# Altium PCB Even.PcbDoc (part 2 of 3)
Units mm, origin at the board's own origin, x right, y up, seen from the top; angles counter-clockwise.
Board outline 382.95 x 69.8 mm, 4 copper layers (Top Layer, Internal Top, Internal Bottom, Bottom Layer), stack 0.778 mm thick; 240 components, 191 nets, 723 pads, 380 vias.
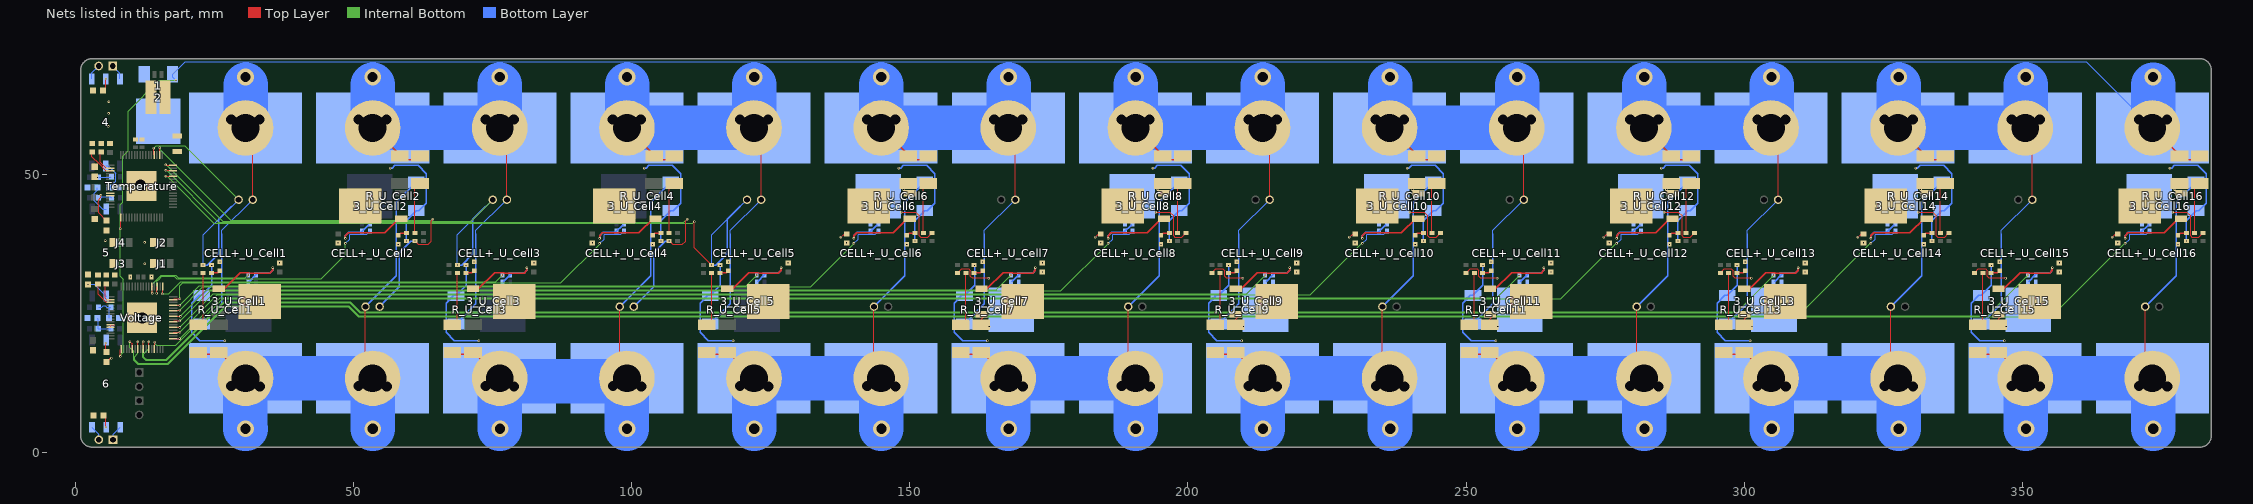
[diagram p4: the nets of this part, all layers, seen from the top]

## Via types
v1: diameter 0.45, hole 0.2, Top Layer to Bottom Layer, 282 vias
v2: diameter 3, hole 1.85, Top Layer to Bottom Layer, 96 vias
v3: diameter 3, hole 2, Top Layer to Bottom Layer, 2 vias

## Nets (pads, with @x,y where several pads share a name; then routed paths per layer and width w, separated by ;. In a path a pad name is that pad's centre, name@x,y a point inside that pad or via, vN(x,y) a via of type N, cw(c..) or ccw(c..) an arc to the next point about the centre after c; other vN are vias at no path point) (continued)
F_U_Cell6: 3_U_Cell6.3 C1_U_Cell6.2 F2_U_Cell6.P$2 R1_U_Cell6.2 R3_U_Cell6.2 R_U_Cell6.3 | length 11.3
  Top Layer w0.089: v1(137.65,38.75) 138.2,39.3 C1_U_Cell6.2@138.65,39.3
  Top Layer w0.127: v1(148.503,43.25) 151.05,43.25 151.75,42.55 151.75,38.975 151.975,38.75 153.225,38.75 153.925,39.45 R1_U_Cell6.2@153.975,39.45
  Top Layer w0.254: R1_U_Cell6.2@153.725,39.7 R1_U_Cell6.2@153.975,39.45
  other v1: 148.925,47.275
F_U_Cell7: 3_U_Cell7.3 C1_U_Cell7.2 F2_U_Cell7.P$2 R1_U_Cell7.2 R3_U_Cell7.2 R_U_Cell7.3 | length 9.5
  Top Layer w0.089: R1_U_Cell7.2@158.6,32.3 159.317,33.017 160.587,33.017 160.9,32.704 160.9,31.7 161.2,31.4 164.158,31.4 v1(164.2,31.358)
  Top Layer w0.127: F2_U_Cell7.P$2@162.9,23 162.9,23.973 3_U_Cell7.3@163.81,24.884
  Bottom Layer w0.089: v1(164.2,31.358) v1@164.222,31.381
  other v1: 164.3,22.65 173.85,32.5
F_U_Cell8: 3_U_Cell8.3 C1_U_Cell8.2 F2_U_Cell8.P$2 R1_U_Cell8.2 R3_U_Cell8.2 R_U_Cell8.3 | length 11.3
  Top Layer w0.089: v1(183.35,38.75) 183.9,39.3 C1_U_Cell8.2@184.35,39.3
  Top Layer w0.127: v1(194.203,43.25) 196.75,43.25 197.45,42.55 197.45,38.975 197.675,38.75 198.925,38.75 199.625,39.45 R1_U_Cell8.2@199.675,39.45
  Top Layer w0.254: R1_U_Cell8.2@199.425,39.7 R1_U_Cell8.2@199.675,39.45
  other v1: 194.625,47.275
F_U_Cell9: 3_U_Cell9.3 C1_U_Cell9.2 F2_U_Cell9.P$2 R1_U_Cell9.2 R3_U_Cell9.2 R_U_Cell9.3 | length 9.5
  Top Layer w0.089: R1_U_Cell9.2@204.3,32.3 205.017,33.017 206.287,33.017 206.6,32.704 206.6,31.7 206.9,31.4 209.858,31.4 v1(209.9,31.358)
  Top Layer w0.127: F2_U_Cell9.P$2@208.6,23 208.6,23.973 3_U_Cell9.3@209.51,24.884
  Bottom Layer w0.089: v1(209.9,31.358) v1@209.922,31.381
  other v1: 210,22.65 219.55,32.5
F_U_Cell10: 3_U_Cell10.3 C1_U_Cell10.2 F2_U_Cell10.P$2 R1_U_Cell10.2 R3_U_Cell10.2 R_U_Cell10.3 | length 11.3
  Top Layer w0.089: v1(229.05,38.75) 229.6,39.3 C1_U_Cell10.2@230.05,39.3
  Top Layer w0.127: v1(239.903,43.25) 242.45,43.25 243.15,42.55 243.15,38.975 243.375,38.75 244.625,38.75 245.325,39.45 R1_U_Cell10.2@245.375,39.45
  Top Layer w0.254: R1_U_Cell10.2@245.125,39.7 R1_U_Cell10.2@245.375,39.45
  other v1: 240.325,47.275
F_U_Cell11: 3_U_Cell11.3 C1_U_Cell11.2 F2_U_Cell11.P$2 R1_U_Cell11.2 R3_U_Cell11.2 R_U_Cell11.3 | length 9.5
  Top Layer w0.089: R1_U_Cell11.2@250,32.3 250.717,33.017 251.987,33.017 252.3,32.704 252.3,31.7 252.6,31.4 255.558,31.4 v1(255.6,31.358)
  Top Layer w0.127: F2_U_Cell11.P$2@254.3,23 254.3,23.973 3_U_Cell11.3@255.21,24.884
  Bottom Layer w0.089: v1(255.6,31.358) v1@255.622,31.381
  other v1: 255.7,22.65 265.25,32.5
F_U_Cell12: 3_U_Cell12.3 C1_U_Cell12.2 F2_U_Cell12.P$2 R1_U_Cell12.2 R3_U_Cell12.2 R_U_Cell12.3 | length 11.3
  Top Layer w0.089: v1(274.75,38.75) 275.3,39.3 C1_U_Cell12.2@275.75,39.3
  Top Layer w0.127: v1(285.603,43.25) 288.15,43.25 288.85,42.55 288.85,38.975 289.075,38.75 290.325,38.75 291.025,39.45 R1_U_Cell12.2@291.075,39.45
  Top Layer w0.254: R1_U_Cell12.2@290.825,39.7 R1_U_Cell12.2@291.075,39.45
  other v1: 286.025,47.275
F_U_Cell13: 3_U_Cell13.3 C1_U_Cell13.2 F2_U_Cell13.P$2 R1_U_Cell13.2 R3_U_Cell13.2 R_U_Cell13.3 | length 9.5
  Top Layer w0.089: R1_U_Cell13.2@295.7,32.3 296.417,33.017 297.687,33.017 298,32.704 298,31.7 298.3,31.4 301.258,31.4 v1(301.3,31.358)
  Top Layer w0.127: F2_U_Cell13.P$2@300,23 300,23.973 3_U_Cell13.3@300.91,24.884
  Bottom Layer w0.089: v1(301.3,31.358) v1@301.322,31.381
  other v1: 301.4,22.65 310.95,32.5
F_U_Cell14: 3_U_Cell14.3 C1_U_Cell14.2 F2_U_Cell14.P$2 R1_U_Cell14.2 R3_U_Cell14.2 R_U_Cell14.3 | length 11.3
  Top Layer w0.089: v1(320.45,38.75) 321,39.3 C1_U_Cell14.2@321.45,39.3
  Top Layer w0.127: v1(331.303,43.25) 333.85,43.25 334.55,42.55 334.55,38.975 334.775,38.75 336.025,38.75 336.725,39.45 R1_U_Cell14.2@336.775,39.45
  Top Layer w0.254: R1_U_Cell14.2@336.525,39.7 R1_U_Cell14.2@336.775,39.45
  other v1: 331.725,47.275
F_U_Cell15: 3_U_Cell15.3 C1_U_Cell15.2 F2_U_Cell15.P$2 R1_U_Cell15.2 R3_U_Cell15.2 R_U_Cell15.3 | length 9.5
  Top Layer w0.089: R1_U_Cell15.2@341.4,32.3 342.117,33.017 343.387,33.017 343.7,32.704 343.7,31.7 344,31.4 346.958,31.4 v1(347,31.358)
  Top Layer w0.127: F2_U_Cell15.P$2@345.7,23 345.7,23.973 3_U_Cell15.3@346.61,24.884
  Bottom Layer w0.089: v1(347,31.358) v1@347.022,31.381
  other v1: 347.1,22.65 356.65,32.5
F_U_Cell16: 3_U_Cell16.3 C1_U_Cell16.2 F2_U_Cell16.P$2 R1_U_Cell16.2 R3_U_Cell16.2 R_U_Cell16.3 | length 11.3
  Top Layer w0.089: v1(366.15,38.75) 366.7,39.3 C1_U_Cell16.2@367.15,39.3
  Top Layer w0.127: v1(377.003,43.25) 379.55,43.25 380.25,42.55 380.25,38.975 380.475,38.75 381.725,38.75 382.425,39.45 R1_U_Cell16.2@382.475,39.45
  Top Layer w0.254: R1_U_Cell16.2@382.225,39.7 R1_U_Cell16.2@382.475,39.45
  other v1: 377.425,47.275
GND: C1.1 C1_U_Cell1.1 C1_U_Cell2.1 C1_U_Cell3.1 C1_U_Cell4.1 C1_U_Cell5.1 C1_U_Cell6.1 C1_U_Cell7.1 C1_U_Cell8.1 C1_U_Cell9.1 C1_U_Cell10.1 C1_U_Cell11.1 C1_U_Cell12.1 C1_U_Cell13.1 C1_U_Cell14.1 C1_U_Cell15.1 C1_U_Cell16.1 C2.2 C3.2 C4.1 C5.1 C6.1 C7.1 C8.2 C9.1 C10.2 C11.1 C12.2 C13.2 C14.1 C15.2 C16.1 C17.1 C18.2 C19.1 J1.3 J2.3 J3.3 J4.3 R1.1 R2.2 R16.1 R17.1 Temperature.59 Temperature.60 Temperature.65 Voltage.59 Voltage.60 Voltage.65 | length 2.7
  Top Layer w0.127: C18.2@5.6,16.3 6.401,17.101 6.502,16.999 v1(6.502,16.967) ; Voltage.60@6.375,22.5 6.35,22.5 6.35,23 Voltage.59@6.375,23 7.112,23
  Internal Bottom w0.127: v1(6.502,16.967) v1@6.502,17.043
  other v1: 9.906,31.576 13.691,31.648 12.497,33.96 36.75,34.141 82.45,34.141 128.15,34.141 173.85,34.141 219.55,34.141 265.25,34.141 310.95,34.141 356.65,34.141 47.25,37.737 92.95,37.737 138.65,37.737 184.35,37.737 230.05,37.737 275.75,37.737 321.45,37.737 367.15,37.737 12.471,37.795 5.4,38.125
  other v3: 12.04,24.206 11.709,48.057
NEG1: CELL+_U_Cell1.2 CELL+_U_Cell1.CELL- LED1_U_Cell1.1 R_U_Cell1.1 | length 49.6
  Top Layer w0.089: CELL+_U_Cell1.CELL-@30.61,58.36 31.9,57.07 CELL+_U_Cell1.2@31.9,45.47
  Bottom Layer w0.127: 26.334,39.319 26.334,39.934 CELL+_U_Cell1.2@31.9,45.5
  Bottom Layer w0.254: R_U_Cell1.1@22.75,23.15 26.334,26.734 26.334,34.325 ; v1(26,34.3) 26.309,34.3 26.334,34.325 ; 26.334,39.319 26.334,34.325 ; CELL+_U_Cell1.CELL-@30.525,58.267 CELL+_U_Cell1.CELL-@31.9,56.892
  Bottom Layer w8: CELL+_U_Cell1.CELL-@30.62,58.362 v2@30.62,66.09
  other v2: 28.07,59.9 33.11,59.9 30.61,67.52
NEG2: CELL+_U_Cell1.CELL+ CELL+_U_Cell2.2 CELL+_U_Cell2.CELL- F1_U_Cell1.P$2 F2_U_Cell1.P$1 LED1_U_Cell2.1 R_U_Cell2.1 | length 93.5
  Top Layer w0.089: CELL+_U_Cell2.2@52.175,26.25 52.175,14.65 CELL+_U_Cell2.CELL-@53.465,13.36
  Top Layer w0.254: F1_U_Cell1.P$2@21.75,17.7 26.3,17.7 CELL+_U_Cell1.CELL+@30.61,13.39
  Bottom Layer w0.254: CELL+_U_Cell2.CELL-@52.175,14.858 CELL+_U_Cell2.CELL-@53.55,13.483 ; CELL+_U_Cell2.2@52.175,26.25 57.741,31.816 57.741,37.425 ; v1(58.075,37.45) 57.766,37.45 57.741,37.425 ; R_U_Cell2.1@61.325,48.6 57.741,45.016 57.741,37.425
  Bottom Layer w8: CELL+_U_Cell1.CELL+@30.595,13.353 30.595,4.315 v2(30.62,4.29) ; CELL+_U_Cell1.CELL+@30.595,13.383 53.431,13.383 CELL+_U_Cell2.CELL-@53.455,13.359 ; v2@53.455,4.291 CELL+_U_Cell2.CELL-@53.455,13.329
  other v2: 53.48,4.29 33.15,11.9 56.01,11.9 28.07,11.97 50.93,11.97
NEG3: CELL+_U_Cell2.CELL+ CELL+_U_Cell3.2 CELL+_U_Cell3.CELL- F1_U_Cell2.P$2 F2_U_Cell2.P$1 LED1_U_Cell3.1 R_U_Cell3.1 | length 91.4
  Top Layer w0.089: CELL+_U_Cell3.CELL-@76.31,58.36 77.6,57.07 CELL+_U_Cell3.2@77.6,45.47
  Top Layer w0.254: CELL+_U_Cell2.CELL+@53.465,58.36 59.2,52.625 60.5,52.625 60.525,52.6 F1_U_Cell2.P$2@62.325,52.6
  Bottom Layer w0.127: 72.034,39.319 72.034,39.934 CELL+_U_Cell3.2@77.6,45.5
  Bottom Layer w0.254: R_U_Cell3.1@68.45,23.15 72.034,26.734 72.034,34.325 ; v1(71.7,34.3) 72.009,34.3 72.034,34.325 ; 72.034,39.319 72.034,34.325 ; CELL+_U_Cell3.CELL-@76.225,58.267 CELL+_U_Cell3.CELL-@77.6,56.892
  Bottom Layer w8: CELL+_U_Cell2.CELL+@53.465,58.36 v2@53.465,66.089 ; CELL+_U_Cell2.CELL+@53.77,58.408 CELL+_U_Cell3.CELL-@76.606,58.408 ; CELL+_U_Cell3.CELL-@76.325,58.36 v2@76.325,66.089
  other v2: 50.915,59.899 55.955,59.899 73.775,59.899 78.815,59.899 53.455,67.519 76.315,67.519
NEG4: CELL+_U_Cell3.CELL+ CELL+_U_Cell4.2 CELL+_U_Cell4.CELL- F1_U_Cell3.P$2 F2_U_Cell3.P$1 LED1_U_Cell4.1 R_U_Cell4.1 | length 93.4
  Top Layer w0.089: CELL+_U_Cell4.2@97.875,26.25 97.875,14.65 CELL+_U_Cell4.CELL-@99.165,13.36
  Top Layer w0.254: F1_U_Cell3.P$2@67.45,17.7 72,17.7 CELL+_U_Cell3.CELL+@76.31,13.39
  Bottom Layer w0.254: CELL+_U_Cell4.CELL-@97.875,14.858 CELL+_U_Cell4.CELL-@99.25,13.483 ; CELL+_U_Cell4.2@97.875,26.25 103.441,31.816 103.441,32.25 103.441,37.425 ; v1(103.775,37.45) 103.466,37.45 103.441,37.425 ; R_U_Cell4.1@107.025,48.6 103.441,45.016 103.441,37.425
  Bottom Layer w8: v2@76.315,4.291 CELL+_U_Cell3.CELL+@76.315,13.329 ; CELL+_U_Cell3.CELL+@76.47,12.858 CELL+_U_Cell4.CELL-@99.306,12.858 ; CELL+_U_Cell4.CELL-@99.131,13.383 CELL+_U_Cell4.CELL-@99.155,13.359 ; v2@99.175,4.291 CELL+_U_Cell4.CELL-@99.175,13.329
  other v2: 76.34,4.29 99.2,4.29 78.87,11.9 101.73,11.9 73.79,11.97 96.65,11.97
NEG5: CELL+_U_Cell4.CELL+ CELL+_U_Cell5.2 CELL+_U_Cell5.CELL- F1_U_Cell4.P$2 F2_U_Cell4.P$1 LED1_U_Cell5.1 R_U_Cell5.1 | length 91.4
  Top Layer w0.089: CELL+_U_Cell5.CELL-@122.01,58.36 123.3,57.07 CELL+_U_Cell5.2@123.3,45.47
  Top Layer w0.254: CELL+_U_Cell4.CELL+@99.165,58.36 104.9,52.625 106.2,52.625 106.225,52.6 F1_U_Cell4.P$2@108.025,52.6
  Bottom Layer w0.127: 117.734,39.319 117.734,39.934 CELL+_U_Cell5.2@123.3,45.5
  Bottom Layer w0.254: R_U_Cell5.1@114.15,23.15 117.734,26.734 117.734,34.325 ; v1(117.4,34.3) 117.709,34.3 117.734,34.325 ; 117.734,39.319 117.734,34.325 ; CELL+_U_Cell5.CELL-@121.925,58.267 CELL+_U_Cell5.CELL-@123.3,56.892
  Bottom Layer w8: CELL+_U_Cell4.CELL+@99.185,58.36 v2@99.185,66.089 ; CELL+_U_Cell4.CELL+@99.204,58.392 CELL+_U_Cell5.CELL-@122.02,58.392 ; CELL+_U_Cell5.CELL-@122.045,58.36 v2@122.045,66.089
  other v2: 96.635,59.899 101.675,59.899 119.495,59.899 124.535,59.899 99.175,67.519 122.035,67.519
NEG6: CELL+_U_Cell5.CELL+ CELL+_U_Cell6.2 CELL+_U_Cell6.CELL- F1_U_Cell5.P$2 F2_U_Cell5.P$1 LED1_U_Cell6.1 R_U_Cell6.1 | length 93.4
  Top Layer w0.089: CELL+_U_Cell6.2@143.575,26.25 143.575,14.65 CELL+_U_Cell6.CELL-@144.865,13.36
  Top Layer w0.254: F1_U_Cell5.P$2@113.15,17.7 117.7,17.7 CELL+_U_Cell5.CELL+@122.01,13.39
  Bottom Layer w0.254: CELL+_U_Cell6.CELL-@143.575,14.858 CELL+_U_Cell6.CELL-@144.95,13.483 ; CELL+_U_Cell6.2@143.575,26.25 149.141,31.816 149.141,32.25 149.141,37.425 ; v1(149.475,37.45) 149.166,37.45 149.141,37.425 ; R_U_Cell6.1@152.725,48.6 149.141,45.016 149.141,37.425
  Bottom Layer w8: CELL+_U_Cell5.CELL+@121.995,13.383 144.831,13.383 CELL+_U_Cell6.CELL-@144.855,13.359 ; v2@122.035,4.291 CELL+_U_Cell5.CELL+@122.035,13.329 ; v2@144.895,4.291 CELL+_U_Cell6.CELL-@144.895,13.329
  other v2: 122.06,4.29 144.92,4.29 124.59,11.9 147.45,11.9 119.51,11.97 142.37,11.97
NEG7: CELL+_U_Cell6.CELL+ CELL+_U_Cell7.2 CELL+_U_Cell7.CELL- F1_U_Cell6.P$2 F2_U_Cell6.P$1 LED1_U_Cell7.1 R_U_Cell7.1 | length 91.4
  Top Layer w0.089: CELL+_U_Cell7.CELL-@167.71,58.36 169,57.07 CELL+_U_Cell7.2@169,45.47
  Top Layer w0.254: CELL+_U_Cell6.CELL+@144.865,58.36 150.6,52.625 151.9,52.625 151.925,52.6 F1_U_Cell6.P$2@153.725,52.6
  Bottom Layer w0.127: 163.434,39.319 163.434,39.934 CELL+_U_Cell7.2@169,45.5
  Bottom Layer w0.254: R_U_Cell7.1@159.85,23.15 163.434,26.734 163.434,34.325 ; v1(163.1,34.3) 163.409,34.3 163.434,34.325 ; 163.434,39.319 163.434,34.325 ; CELL+_U_Cell7.CELL-@167.625,58.267 CELL+_U_Cell7.CELL-@169,56.892
  Bottom Layer w8: CELL+_U_Cell6.CELL+@144.88,58.367 CELL+_U_Cell7.CELL-@167.696,58.367 ; CELL+_U_Cell6.CELL+@144.905,58.36 v2@144.905,66.089 ; CELL+_U_Cell7.CELL-@167.765,58.36 v2@167.765,66.089
  other v2: 142.355,59.899 147.395,59.899 165.215,59.899 170.255,59.899 144.895,67.519 167.755,67.519
NEG8: CELL+_U_Cell7.CELL+ CELL+_U_Cell8.2 CELL+_U_Cell8.CELL- F1_U_Cell7.P$2 F2_U_Cell7.P$1 LED1_U_Cell8.1 R_U_Cell8.1 | length 93.4
  Top Layer w0.089: CELL+_U_Cell8.2@189.275,26.25 189.275,14.65 CELL+_U_Cell8.CELL-@190.565,13.36
  Top Layer w0.254: F1_U_Cell7.P$2@158.85,17.7 163.4,17.7 CELL+_U_Cell7.CELL+@167.71,13.39
  Bottom Layer w0.254: CELL+_U_Cell8.CELL-@189.275,14.858 CELL+_U_Cell8.CELL-@190.65,13.483 ; CELL+_U_Cell8.2@189.275,26.25 194.841,31.816 194.841,32.25 194.841,37.425 ; v1(195.175,37.45) 194.866,37.45 194.841,37.425 ; R_U_Cell8.1@198.425,48.6 194.841,45.016 194.841,37.425
  Bottom Layer w8: CELL+_U_Cell7.CELL+@167.695,13.383 190.531,13.383 CELL+_U_Cell8.CELL-@190.555,13.359 ; v2@167.755,4.291 CELL+_U_Cell7.CELL+@167.755,13.329 ; v2@190.615,4.291 CELL+_U_Cell8.CELL-@190.615,13.329
  other v2: 167.78,4.29 190.64,4.29 170.31,11.9 193.17,11.9 165.23,11.97 188.09,11.97
NEG9: CELL+_U_Cell8.CELL+ CELL+_U_Cell9.2 CELL+_U_Cell9.CELL- F1_U_Cell8.P$2 F2_U_Cell8.P$1 LED1_U_Cell9.1 R_U_Cell9.1 | length 91.4
  Top Layer w0.089: CELL+_U_Cell9.CELL-@213.41,58.36 214.7,57.07 CELL+_U_Cell9.2@214.7,45.47
  Top Layer w0.254: CELL+_U_Cell8.CELL+@190.565,58.36 196.3,52.625 197.6,52.625 197.625,52.6 F1_U_Cell8.P$2@199.425,52.6
  Bottom Layer w0.127: 209.134,39.319 209.134,39.934 CELL+_U_Cell9.2@214.7,45.5
  Bottom Layer w0.254: R_U_Cell9.1@205.55,23.15 209.134,26.734 209.134,34.325 ; v1(208.8,34.3) 209.109,34.3 209.134,34.325 ; 209.134,39.319 209.134,34.325 ; CELL+_U_Cell9.CELL-@213.325,58.267 CELL+_U_Cell9.CELL-@214.7,56.892
  Bottom Layer w8: CELL+_U_Cell8.CELL+@190.58,58.367 CELL+_U_Cell9.CELL-@213.396,58.367 ; CELL+_U_Cell8.CELL+@190.625,58.36 v2@190.625,66.089 ; CELL+_U_Cell9.CELL-@213.485,58.36 v2@213.485,66.089
  other v2: 188.075,59.899 193.115,59.899 210.935,59.899 215.975,59.899 190.615,67.519 213.475,67.519
NEG10: CELL+_U_Cell9.CELL+ CELL+_U_Cell10.2 CELL+_U_Cell10.CELL- F1_U_Cell9.P$2 F2_U_Cell9.P$1 LED1_U_Cell10.1 R_U_Cell10.1 | length 93.4
  Top Layer w0.089: CELL+_U_Cell10.2@234.975,26.25 234.975,14.65 CELL+_U_Cell10.CELL-@236.265,13.36
  Top Layer w0.254: F1_U_Cell9.P$2@204.55,17.7 209.1,17.7 CELL+_U_Cell9.CELL+@213.41,13.39
  Bottom Layer w0.254: CELL+_U_Cell10.CELL-@234.975,14.858 CELL+_U_Cell10.CELL-@236.35,13.483 ; CELL+_U_Cell10.2@234.975,26.25 240.541,31.816 240.541,32.25 240.541,37.425 ; v1(240.875,37.45) 240.566,37.45 240.541,37.425 ; R_U_Cell10.1@244.125,48.6 240.541,45.016 240.541,37.425
  Bottom Layer w8: CELL+_U_Cell9.CELL+@213.395,13.383 236.231,13.383 CELL+_U_Cell10.CELL-@236.255,13.359 ; v2@213.475,4.291 CELL+_U_Cell9.CELL+@213.475,13.329 ; v2@236.335,4.291 CELL+_U_Cell10.CELL-@236.335,13.329
  other v2: 213.5,4.29 236.36,4.29 216.03,11.9 238.89,11.9 210.95,11.97 233.81,11.97
NEG11: CELL+_U_Cell10.CELL+ CELL+_U_Cell11.2 CELL+_U_Cell11.CELL- F1_U_Cell10.P$2 F2_U_Cell10.P$1 LED1_U_Cell11.1 R_U_Cell11.1 | length 91.4
  Top Layer w0.089: CELL+_U_Cell11.CELL-@259.11,58.36 260.4,57.07 CELL+_U_Cell11.2@260.4,45.47
  Top Layer w0.254: CELL+_U_Cell10.CELL+@236.265,58.36 242,52.625 243.3,52.625 243.325,52.6 F1_U_Cell10.P$2@245.125,52.6
  Bottom Layer w0.127: 254.834,39.319 254.834,39.934 CELL+_U_Cell11.2@260.4,45.5
  Bottom Layer w0.254: R_U_Cell11.1@251.25,23.15 254.834,26.734 254.834,34.325 ; v1(254.5,34.3) 254.809,34.3 254.834,34.325 ; 254.834,39.319 254.834,34.325 ; CELL+_U_Cell11.CELL-@259.025,58.267 CELL+_U_Cell11.CELL-@260.4,56.892
  Bottom Layer w8: CELL+_U_Cell10.CELL+@236.28,58.367 CELL+_U_Cell11.CELL-@259.096,58.367 ; CELL+_U_Cell10.CELL+@236.345,58.36 v2@236.345,66.089 ; CELL+_U_Cell11.CELL-@259.205,58.36 v2@259.205,66.089
  other v2: 233.795,59.899 238.835,59.899 256.655,59.899 261.695,59.899 236.335,67.519 259.195,67.519
NEG12: CELL+_U_Cell11.CELL+ CELL+_U_Cell12.2 CELL+_U_Cell12.CELL- F1_U_Cell11.P$2 F2_U_Cell11.P$1 LED1_U_Cell12.1 R_U_Cell12.1 | length 93.4
  Top Layer w0.089: CELL+_U_Cell12.2@280.675,26.25 280.675,14.65 CELL+_U_Cell12.CELL-@281.965,13.36
  Top Layer w0.254: F1_U_Cell11.P$2@250.25,17.7 254.8,17.7 CELL+_U_Cell11.CELL+@259.11,13.39
  Bottom Layer w0.254: CELL+_U_Cell12.CELL-@280.675,14.858 CELL+_U_Cell12.CELL-@282.05,13.483 ; CELL+_U_Cell12.2@280.675,26.25 286.241,31.816 286.241,32.25 286.241,37.425 ; v1(286.575,37.45) 286.266,37.45 286.241,37.425 ; R_U_Cell12.1@289.825,48.6 286.241,45.016 286.241,37.425
  Bottom Layer w8: CELL+_U_Cell11.CELL+@259.095,13.383 281.931,13.383 CELL+_U_Cell12.CELL-@281.955,13.359 ; v2@259.195,4.291 CELL+_U_Cell11.CELL+@259.195,13.329 ; v2@282.055,4.291 CELL+_U_Cell12.CELL-@282.055,13.329
  other v2: 259.22,4.29 282.08,4.29 261.75,11.9 284.61,11.9 256.67,11.97 279.53,11.97
NEG13: CELL+_U_Cell12.CELL+ CELL+_U_Cell13.2 CELL+_U_Cell13.CELL- F1_U_Cell12.P$2 F2_U_Cell12.P$1 LED1_U_Cell13.1 R_U_Cell13.1 | length 91.4
  Top Layer w0.089: CELL+_U_Cell13.CELL-@304.81,58.36 306.1,57.07 CELL+_U_Cell13.2@306.1,45.47
  Top Layer w0.254: CELL+_U_Cell12.CELL+@281.965,58.36 287.7,52.625 289,52.625 289.025,52.6 F1_U_Cell12.P$2@290.825,52.6
  Bottom Layer w0.127: 300.534,39.319 300.534,39.934 CELL+_U_Cell13.2@306.1,45.5
  Bottom Layer w0.254: R_U_Cell13.1@296.95,23.15 300.534,26.734 300.534,34.325 ; v1(300.2,34.3) 300.509,34.3 300.534,34.325 ; 300.534,39.319 300.534,34.325 ; CELL+_U_Cell13.CELL-@304.725,58.267 CELL+_U_Cell13.CELL-@306.1,56.892
  Bottom Layer w8: CELL+_U_Cell12.CELL+@281.98,58.367 CELL+_U_Cell13.CELL-@304.796,58.367 ; CELL+_U_Cell12.CELL+@282.065,58.36 v2@282.065,66.089 ; CELL+_U_Cell13.CELL-@304.925,58.36 v2@304.925,66.089
  other v2: 279.515,59.899 284.555,59.899 302.375,59.899 307.415,59.899 282.055,67.519 304.915,67.519
NEG14: CELL+_U_Cell13.CELL+ CELL+_U_Cell14.2 CELL+_U_Cell14.CELL- F1_U_Cell13.P$2 F2_U_Cell13.P$1 LED1_U_Cell14.1 R_U_Cell14.1 | length 93.4
  Top Layer w0.089: CELL+_U_Cell14.2@326.375,26.25 326.375,14.65 CELL+_U_Cell14.CELL-@327.665,13.36
  Top Layer w0.254: F1_U_Cell13.P$2@295.95,17.7 300.5,17.7 CELL+_U_Cell13.CELL+@304.81,13.39
  Bottom Layer w0.254: CELL+_U_Cell14.CELL-@326.375,14.858 CELL+_U_Cell14.CELL-@327.75,13.483 ; CELL+_U_Cell14.2@326.375,26.25 331.941,31.816 331.941,32.25 331.941,37.425 ; v1(332.275,37.45) 331.966,37.45 331.941,37.425 ; R_U_Cell14.1@335.525,48.6 331.941,45.016 331.941,37.425
  Bottom Layer w8: CELL+_U_Cell13.CELL+@304.795,13.383 327.631,13.383 CELL+_U_Cell14.CELL-@327.655,13.359 ; v2@304.915,4.291 CELL+_U_Cell13.CELL+@304.915,13.329 ; v2@327.775,4.291 CELL+_U_Cell14.CELL-@327.775,13.329
  other v2: 304.94,4.29 327.8,4.29 307.47,11.9 330.33,11.9 302.39,11.97 325.25,11.97
NEG15: CELL+_U_Cell14.CELL+ CELL+_U_Cell15.2 CELL+_U_Cell15.CELL- F1_U_Cell14.P$2 F2_U_Cell14.P$1 LED1_U_Cell15.1 R_U_Cell15.1 | length 91.4
  Top Layer w0.089: CELL+_U_Cell15.CELL-@350.51,58.36 351.8,57.07 CELL+_U_Cell15.2@351.8,45.47
  Top Layer w0.254: CELL+_U_Cell14.CELL+@327.665,58.36 333.4,52.625 334.7,52.625 334.725,52.6 F1_U_Cell14.P$2@336.525,52.6
  Bottom Layer w0.127: 346.234,39.319 346.234,39.934 CELL+_U_Cell15.2@351.8,45.5
  Bottom Layer w0.254: R_U_Cell15.1@342.65,23.15 346.234,26.734 346.234,34.325 ; v1(345.9,34.3) 346.209,34.3 346.234,34.325 ; 346.234,39.319 346.234,34.325 ; CELL+_U_Cell15.CELL-@350.425,58.267 CELL+_U_Cell15.CELL-@351.8,56.892
  Bottom Layer w8: CELL+_U_Cell14.CELL+@327.68,58.367 CELL+_U_Cell15.CELL-@350.496,58.367 ; CELL+_U_Cell14.CELL+@327.785,58.36 v2@327.785,66.089 ; CELL+_U_Cell15.CELL-@350.645,58.36 v2@350.645,66.089
  other v2: 325.235,59.899 330.275,59.899 348.095,59.899 353.135,59.899 327.775,67.519 350.635,67.519
NEG16: CELL+_U_Cell15.CELL+ CELL+_U_Cell16.2 CELL+_U_Cell16.CELL- F1_U_Cell15.P$2 F2_U_Cell15.P$1 LED1_U_Cell16.1 R_U_Cell16.1 | length 93.4
  Top Layer w0.089: CELL+_U_Cell16.2@372.075,26.25 372.075,14.65 CELL+_U_Cell16.CELL-@373.365,13.36
  Top Layer w0.254: F1_U_Cell15.P$2@341.65,17.7 346.2,17.7 CELL+_U_Cell15.CELL+@350.51,13.39
  Bottom Layer w0.254: CELL+_U_Cell16.CELL-@372.075,14.858 CELL+_U_Cell16.CELL-@373.45,13.483 ; CELL+_U_Cell16.2@372.075,26.25 377.641,31.816 377.641,32.25 377.641,37.425 ; v1(377.975,37.45) 377.666,37.45 377.641,37.425 ; R_U_Cell16.1@381.225,48.6 377.641,45.016 377.641,37.425
  Bottom Layer w8: CELL+_U_Cell15.CELL+@350.495,13.383 373.331,13.383 CELL+_U_Cell16.CELL-@373.355,13.359 ; v2@350.635,4.291 CELL+_U_Cell15.CELL+@350.635,13.329 ; v2@373.495,4.291 CELL+_U_Cell16.CELL-@373.495,13.329
  other v2: 350.66,4.29 373.52,4.29 353.19,11.9 376.05,11.9 348.11,11.97 370.97,11.97
Net1_C1: 1.C1 1.C2 2.1 2.3 C1.2
  other v1: 5.969,58.649 6,60.985 6.071,63.094
Net3_U_Cell1_1: 3_U_Cell1.1 R3_U_Cell1.1 R5_U_Cell1.2 | length 17.2
  Top Layer w0.254: 3_U_Cell1.1@25.8,29.484 26.784,29.484 29.679,32.379 31.298,32.379 31.427,32.25 35,32.25 35.5,32.75 v1(35.5,33.25)
  Bottom Layer w0.254: R3_U_Cell1.1@31.275,30.75 32.461,31.936 32.775,32.25 35,32.25 35.5,32.75 v1(35.5,33.25)
Net3_U_Cell1_2: 3_U_Cell1.2 R4_U_Cell1.1 R_U_Cell1.2 | length 20.4
  Top Layer w0.089: R4_U_Cell1.1@24.5,33.7 24.5,33.691 v1(24.536,33.655)